# Altium PCB PCB1.PcbDoc (part 2 of 2) (continued)
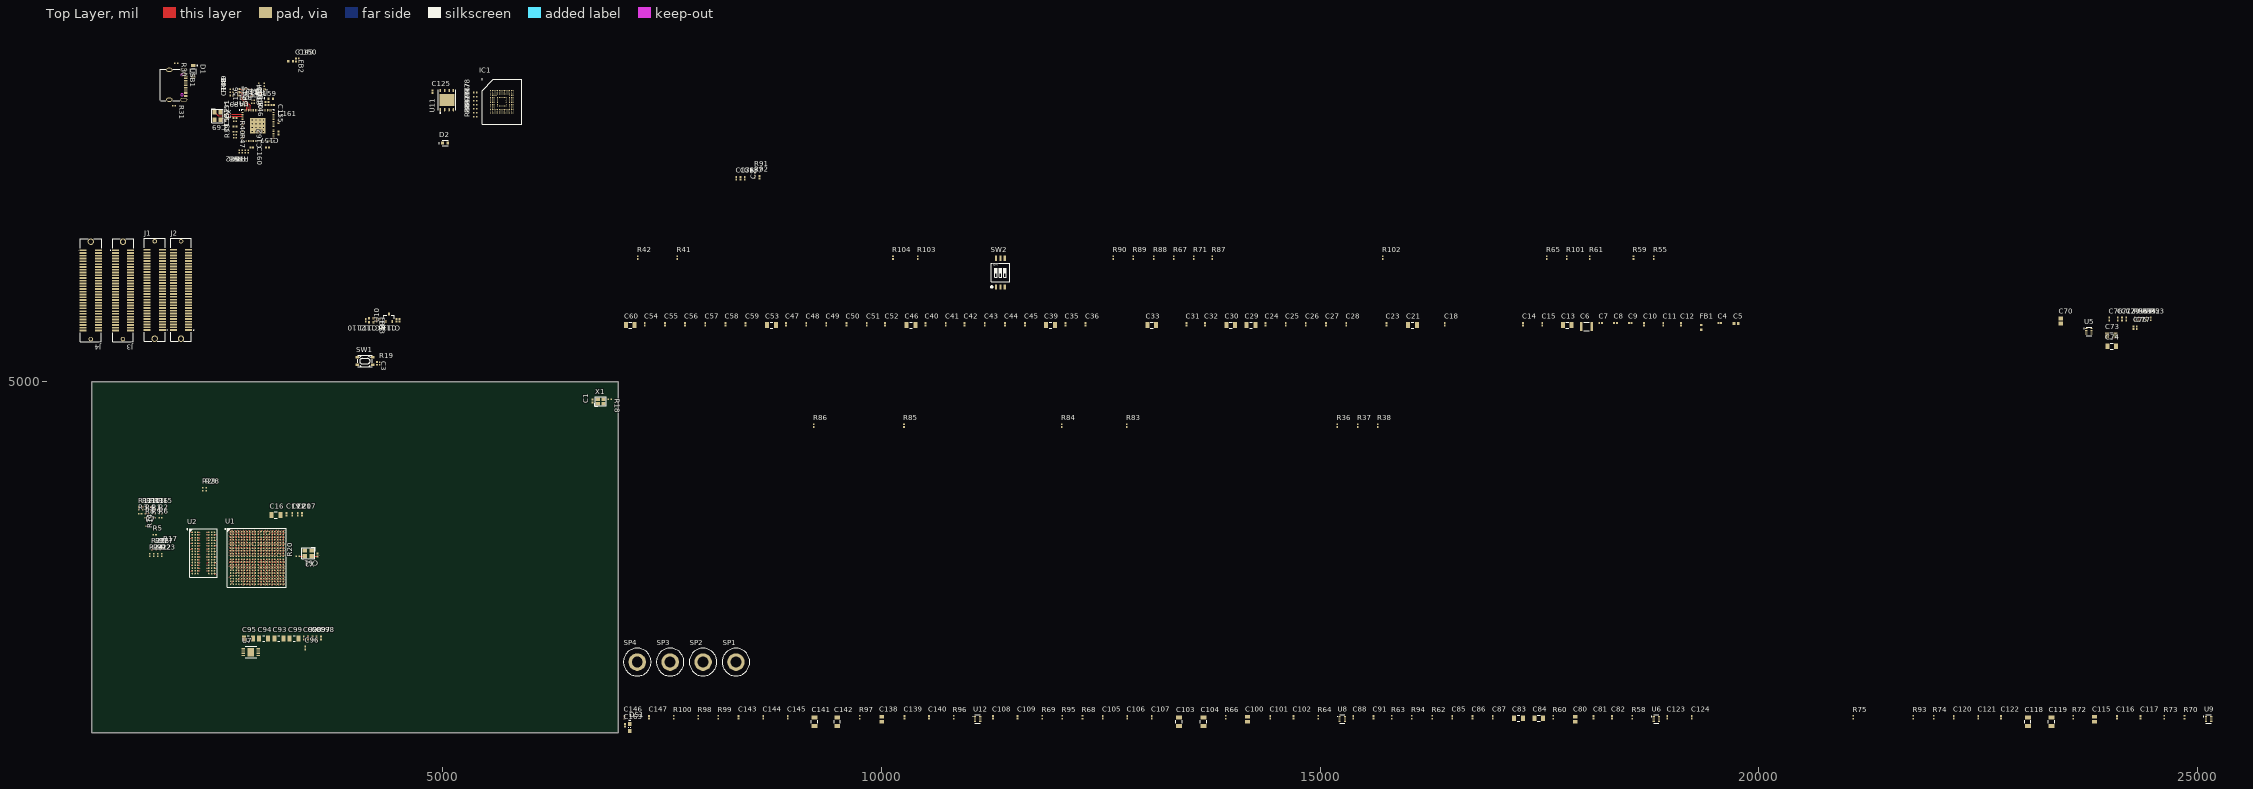
[diagram p0: Top Layer view]
## Nets (pads, with @x,y where several pads share a name; then routed paths per layer and width w, separated by ;. In a path a pad name is that pad's centre, name@x,y a point inside that pad or via, vN(x,y) a via of type N, cw(c..) or ccw(c..) an arc to the next point about the centre after c; other vN are vias at no path point) (continued)
DDR3L_A0: R1.1 U1.N2 U2.N3 | length 44.4
  Top Layer w6: U2.N3@2207.01,2908.27 2221.09,2908.27 v1(2229.12,2908.27) ; v1(2595.79,2898.74) U1.N2@2611.54,2914.49
DDR3L_A1: R2.1 U1.K2 U2.P7 | length 44.4
  Top Layer w6: v1(2310.88,2876.77) 2318.91,2876.77 U2.P7@2332.99,2876.77 ; v1(2595.79,3024.72) U1.K2@2611.54,3008.98
DDR3L_A2: R3.1 U1.M3 U2.P3 | length 44.4
  Top Layer w6: U2.P3@2207.01,2876.77 v1(2229.12,2876.77) ; v1(2627.28,2930.24) U1.M3@2643.03,2945.98
DDR3L_A3: R4.1 U1.K3 U2.N2 | length 22.3
  Top Layer w6: v1(2627.28,3024.72) U1.K3@2643.03,3008.98
DDR3L_A4: R5.1 U1.M4 U2.P8 | length 22.3
  Top Layer w6: v1(2658.78,2930.24) U1.M4@2674.53,2945.98
DDR3L_A5: R6.1 U1.L1 U2.P2 | length 22.3
  Top Layer w6: v1(2564.29,2961.73) U1.L1@2580.04,2977.48
DDR3L_A6: R7.1 U1.L4 U2.R8 | length 22.3
  Top Layer w6: v1(2658.78,2961.73) U1.L4@2674.53,2977.48
DDR3L_A7: R8.1 U1.K4 U2.R2 | length 22.3
  Top Layer w6: v1(2658.78,3024.72) U1.K4@2674.53,3008.98
DDR3L_A8: R9.1 U1.K1 U2.T8 | length 22.3
  Top Layer w6: v1(2564.29,3024.72) U1.K1@2580.04,3008.98
DDR3L_A9: R10.1 U1.J4 U2.R3 | length 44.4
  Top Layer w6: U2.R3@2207.01,2845.28 2221.09,2845.28 v1(2229.12,2845.28) ; v1(2658.78,3056.22) U1.J4@2674.53,3040.47
DDR3L_A10: R11.1 U1.F5 U2.L7 | length 44.4
  Top Layer w6: v1(2310.88,2971.26) U2.L7@2332.99,2971.26 ; v1(2690.28,3150.71) U1.F5@2706.02,3134.96
DDR3L_A11: R12.1 U1.G4 U2.R7 | length 44.4
  Top Layer w6: v1(2310.88,2845.28) U2.R7@2332.99,2845.28 ; v1(2658.78,3119.21) U1.G4@2674.53,3103.46
DDR3L_A12: R13.1 U1.E4 U2.N7 | length 44.4
  Top Layer w6: v1(2310.88,2908.27) U2.N7@2332.99,2908.27 ; v1(2658.78,3182.2) U1.E4@2674.53,3166.46
DDR3L_BA0: R14.1 U1.L5 U2.M2 | length 22.3
  Top Layer w6: v1(2690.28,2961.73) U1.L5@2706.02,2977.48
DDR3L_BA1: R15.1 U1.R4 U2.N8 | length 22.3
  Top Layer w6: v1(2658.78,2835.75) U1.R4@2674.53,2851.5
DDR3L_BA2: R16.1 U1.J5 U2.M3 | length 44.4
  Top Layer w6: U2.M3@2207.01,2939.76 v1(2229.12,2939.76) ; v1(2690.28,3056.22) U1.J5@2706.02,3040.47
DDR3L_CAS#: R27.2 U1.P4 U2.K3 | length 44.4
  Top Layer w6: U2.K3@2207.01,3002.76 v1(2229.12,3002.76) ; v1(2658.78,2867.24) U1.P4@2674.53,2882.99
DDR3L_CKE: R23.2 U1.N3 U2.K9 | length 44.4
  Top Layer w6: U2.K9@2395.98,3002.76 v1(2418.09,3002.76) ; v1(2627.28,2898.74) U1.N3@2643.03,2914.49
DDR3L_CKN: R17.1 U1.M2 U2.K7 | length 44.4
  Top Layer w6: v1(2310.88,3002.76) 2318.91,3002.76 U2.K7@2332.99,3002.76 ; v1(2595.79,2930.24) U1.M2@2611.54,2945.98
DDR3L_CKP: R17.2 U1.L2 U2.J7 | length 44.4
  Top Layer w6: v1(2310.88,3034.25) U2.J7@2332.99,3034.25 ; v1(2595.79,2961.73) U1.L2@2611.54,2977.48
DDR3L_CS#: R24.2 U1.N1 U2.L2 | length 22.3
  Top Layer w6: v1(2564.29,2898.74) U1.N1@2580.04,2914.49
DDR3L_DQ0: U1.C3 U2.E3 | length 44.4
  Top Layer w6: U2.E3@2207.01,3160.24 2221.09,3160.24 v1(2229.12,3160.24) ; v1(2627.28,3245.2) U1.C3@2643.03,3229.45
DDR3L_DQ1: U1.B3 U2.F7 | length 44.4
  Top Layer w6: v1(2310.88,3128.74) 2318.91,3128.74 U2.F7@2332.99,3128.74 ; v1(2627.28,3276.69) U1.B3@2643.03,3260.94
DDR3L_DQ2: U1.A2 U2.F2 | length 22.3
  Top Layer w6: v1(2595.79,3308.19) U1.A2@2611.54,3292.44
DDR3L_DQ3: U1.A4 U2.F8 | length 22.3
  Top Layer w6: v1(2658.78,3308.19) U1.A4@2674.53,3292.44
DDR3L_DQ4: U1.D3 U2.H3 | length 44.4
  Top Layer w6: U2.H3@2207.01,3065.75 v1(2229.12,3065.75) ; v1(2627.28,3213.7) U1.D3@2643.03,3197.95
DDR3L_DQ5: U1.D1 U2.H8 | length 22.3
  Top Layer w6: v1(2564.29,3213.7) U1.D1@2580.04,3197.95
DDR3L_DQ6: U1.C1 U2.G2 | length 22.3
  Top Layer w6: v1(2564.29,3245.2) U1.C1@2580.04,3229.45
DDR3L_DQ7: U1.E1 U2.H7 | length 44.4
  Top Layer w6: v1(2310.88,3065.75) 2318.91,3065.75 U2.H7@2332.99,3065.75 ; v1(2564.29,3182.2) U1.E1@2580.04,3166.46
DDR3L_DQ8: U1.E2 U2.D7 | length 44.4
  Top Layer w6: v1(2310.88,3191.73) 2318.91,3191.73 U2.D7@2332.99,3191.73 ; v1(2595.79,3182.2) U1.E2@2611.54,3166.46
DDR3L_DQ9: U1.E3 U2.C3 | length 44.4
  Top Layer w6: U2.C3@2207.01,3223.23 2221.09,3223.23 v1(2229.12,3223.23) ; v1(2627.28,3182.2) U1.E3@2643.03,3166.46
DDR3L_DQ10: U1.G3 U2.C8 | length 22.3
  Top Layer w6: v1(2627.28,3119.21) U1.G3@2643.03,3103.46
DDR3L_DQ11: U1.H3 U2.C2 | length 22.3
  Top Layer w6: v1(2627.28,3087.72) U1.H3@2643.03,3071.97
DDR3L_DQ12: U1.J3 U2.A7 | length 44.4
  Top Layer w6: v1(2310.88,3286.22) U2.A7@2332.99,3286.22 ; v1(2627.28,3056.22) U1.J3@2643.03,3040.47
DDR3L_DQ13: U1.H2 U2.A2 | length 22.3
  Top Layer w6: v1(2595.79,3087.72) U1.H2@2611.54,3071.97
DDR3L_DQ14: U1.H1 U2.B8 | length 22.3
  Top Layer w6: v1(2564.29,3087.72) U1.H1@2580.04,3071.97
DDR3L_DQ15: U1.J1 U2.A3 | length 44.4
  Top Layer w6: U2.A3@2207.01,3286.22 2221.09,3286.22 v1(2229.12,3286.22) ; v1(2564.29,3056.22) U1.J1@2580.04,3040.47
DDR3L_LDM: U1.A1 U2.E7 | length 44.4
  Top Layer w6: v1(2310.88,3160.24) U2.E7@2332.99,3160.24 ; v1(2564.29,3308.19) U1.A1@2580.04,3292.44
DDR3L_LDQS_N: U1.B2 U2.G3 | length 44.4
  Top Layer w6: U2.G3@2207.01,3097.24 2221.09,3097.24 v1(2229.12,3097.24) ; v1(2595.79,3276.69) U1.B2@2611.54,3260.94
DDR3L_LDQS_P: U1.C2 U2.F3 | length 44.4
  Top Layer w6: U2.F3@2207.01,3128.74 v1(2229.12,3128.74) ; v1(2595.79,3245.2) U1.C2@2611.54,3229.45
DDR3L_ODT: U1.N5 U2.K1 | length 22.3
  Top Layer w6: v1(2690.28,2898.74) U1.N5@2706.02,2914.49
DDR3L_RAS#: R26.2 U1.P5 U2.J3 | length 44.4
  Top Layer w6: U2.J3@2207.01,3034.25 v1(2229.12,3034.25) ; v1(2690.28,2867.24) U1.P5@2706.02,2882.99
DDR3L_RESET: R22.2 U1.B4 U2.T2 | length 22.3
  Top Layer w6: v1(2658.78,3276.69) U1.B4@2674.53,3260.94
DDR3L_UDM: U1.F1 U2.D3 | length 44.4
  Top Layer w6: U2.D3@2207.01,3191.73 v1(2229.12,3191.73) ; v1(2564.29,3150.71) U1.F1@2580.04,3134.96
DDR3L_UDQS_N: U1.F2 U2.B7 | length 44.4
  Top Layer w6: v1(2310.88,3254.72) 2318.91,3254.72 U2.B7@2332.99,3254.72 ; v1(2595.79,3150.71) U1.F2@2611.54,3134.96
DDR3L_UDQS_P: U1.G2 U2.C7 | length 44.4
  Top Layer w6: v1(2310.88,3223.23) U2.C7@2332.99,3223.23 ; v1(2595.79,3119.21) U1.G2@2611.54,3103.46
DDR3L_WE#: R25.2 U1.M5 U2.L3 | length 44.4
  Top Layer w6: U2.L3@2207.01,2971.26 2221.09,2971.26 v1(2229.12,2971.26) ; v1(2690.28,2930.24) U1.M5@2706.02,2945.98
DDR3L_ZQ: R21.2 U2.L8
EE_CLK: R49.1 U3.62 U4.4 | length 308.7
  Top Layer w5: U4.4@2672.76,8337.4 2675.16,8335 2710,8335 2720,8325 2720,8222.27 2783.46,8158.81 U3.62@2783.46,8095
EE_CS: R48.1 U3.63 U4.5 | length 261.6
  Top Layer w5: U4.5@2672.76,8300 2705,8300 2709.39,8295.61 2709.39,8220.15 2763.78,8165.76 U3.63@2763.78,8095
EE_DATA: R51.1 U3.61 U4.3 | length 359.8
  Top Layer w5: U3.61@2803.15,8095 2803.15,8151.85 2730,8225 2730,8330 2737.4,8337.4 U4.3@2767.24,8337.4 2770.59,8340.75 R51.1@2820,8340.75
ETH_INT_B: J4.3 U1.E9 | length 22.3
  Top Layer w6: v1(2816.26,3182.2) U1.E9@2832.01,3166.46
ETH_MDC: J4.32 U1.C10 | length 22.3
  Top Layer w6: v1(2847.76,3245.2) U1.C10@2863.5,3229.45
ETH_MDIO: J4.33 U1.C11 | length 22.3
  Top Layer w6: U1.C11@2895,3229.45 v1(2910.75,3245.2)
ETH_RST_B: J4.4 U1.B5 | length 22.3
  Top Layer w6: v1(2690.28,3276.69) U1.B5@2706.02,3260.94
ETH_RXCK: J4.41 U1.B17 | length 22.3
  Top Layer w6: U1.B17@3083.98,3260.94 v1(3099.72,3276.69)
ETH_RXCTL: J4.43 U1.D13 | length 22.3
  Top Layer w6: U1.D13@2957.99,3197.95 v1(2973.74,3213.7)
ETH_RXD0: J4.35 U1.D11 | length 22.3
  Top Layer w6: U1.D11@2895,3197.95 v1(2910.75,3213.7)
ETH_RXD1: J4.36 U1.A16 | length 22.3
  Top Layer w6: U1.A16@3052.48,3292.44 v1(3068.23,3308.19)
ETH_RXD2: J4.38 U1.F15 | length 22.3
  Top Layer w6: U1.F15@3020.98,3134.96 v1(3036.73,3150.71)
ETH_RXD3: J4.39 U1.A15 | length 22.3
  Top Layer w6: U1.A15@3020.98,3292.44 v1(3036.73,3308.19)
ETH_TXCK: J4.53 U1.A19 | length 22.3
  Top Layer w6: U1.A19@3146.97,3292.44 v1(3162.72,3308.19)
ETH_TXCTL: J4.45 U1.F14 | length 22.3
  Top Layer w6: U1.F14@2989.49,3134.96 v1(3005.24,3150.71)
ETH_TXD0: J4.47 U1.E14 | length 22.3
  Top Layer w6: U1.E14@2989.49,3166.46 v1(3005.24,3182.2)
ETH_TXD1: J4.48 U1.B18 | length 22.3
  Top Layer w6: U1.B18@3115.47,3260.94 v1(3131.22,3276.69)
ETH_TXD2: J4.50 U1.D10 | length 22.3
  Top Layer w6: v1(2847.76,3213.7) U1.D10@2863.5,3197.95
ETH_TXD3: J4.51 U1.A17 | length 22.3
  Top Layer w6: U1.A17@3083.98,3292.44 v1(3099.72,3308.19)
FPGA_DONE: R85.1 R86.2 U1.R11 | length 22.3
  Top Layer w6: U1.R11@2895,2851.5 v1(2910.75,2835.75)
FT2232_1V8: C155.1 C156.1 C157.1 C158.1 U3.12 U3.37 U3.49 U3.64
FT2232_LED_RX: D4.1 U3.55
FT2232_LED_TX: D3.1 U3.54
FT2232_UART_RX: R42.1 U3.39
FT2232_UART_TX: R41.1 U3.38
GND: C1.1 C2.1 C3.1 C4.1 C5.1 C6.1 C7.1 C8.1 C10.1 C11.1 C12.1 C13.2 C14.1 C15.1 C16.2 C17.1 C18.1 C19.1 C20.1 C21.2 C22.1 C23.1 C24.1 C25.1 C26.1 C27.1 C28.1 C29.2 C30.2 C31.1 C32.1 C33.2 C34.2 C35.1 C36.1 C37.1 C38.1 C39.2 C40.1 C41.1 C42.1 C43.1 C44.1 C45.1 C46.2 C47.1 C48.1 C49.1 C50.1 C51.1 C52.1 C53.2 C54.1 C55.1 C56.1 C57.1 C58.1 C59.1 C60.2 C61.1 C62.1 C63.1 C64.1 C65.1 C66.1 C67.1 C68.2 C69.2 C70.1 C71.1 C73.2 C74.2 C76.1 C77.1 C78.1 C79.2 C80.1 C81.1 C83.2 C84.2 C86.1 C87.1 C88.2 C89.1 C90.1 C91.2 C92.1 C93.1 C94.1 C95.1 C96.1 C97.1 C98.1 C99.1 C100.1 C101.1 C103.2 C104.2 C106.1 C107.1 C108.2 C109.2 C110.1 C115.1 C116.1 C118.2 C119.2 C121.1 C122.1 C123.2 C124.2 C125.1 C126.1 C127.1 C128.1 C129.1 C130.1 C131.1 C132.1 C133.1 C134.1 C135.1 C136.1 C137.1 C138.1 C139.1 C141.2 C142.2 C144.1 C145.1 C146.2 C147.2 C148.2 C149.2 C150.2 C151.2 C152.2 C153.2 C154.2 C155.2 C156.2 C157.2 C158.2 C159.2 C160.2 C161.2 C162.2 C163.1 D2.1 DS1.1 FB4.1 IC1.A6 IC1.C4 IC1.E7 IC1.G5 IC1.H10 IC1.J5 IC1.K8 IC1.N2 IC1.N5 IC1.P4 IC1.P6 J1.1 J1.4 J1.7 J1.10 J1.13 J1.16 J1.19 J1.22 J1.25 J1.28 J1.31 J1.34 J1.37 J1.40 J1.43 J1.46 J1.49 J1.52 J1.55 J1.58 J2.1 J2.4 J2.7 J2.10 J2.13 J2.16 J2.19 J2.22 J2.25 J2.28 J2.31 J2.34 J2.37 J2.40 J2.43 J2.46 J2.49 J2.52 J2.55 J2.58 J3.1 J3.4 J3.7 J3.10 J3.13 J3.16 J3.19 J3.22 J3.25 J3.28 J3.31 J3.34 J3.37 J3.40 J3.43 J3.46 J3.49 J3.52 J3.55 J3.58 J4.1 J4.5 J4.7 J4.11 J4.14 J4.18 J4.20 J4.26 J4.30 J4.31 J4.34 J4.37 J4.40 J4.42 J4.44 J4.46 J4.49 J4.52 J4.54 J4.57 J4.60 R21.1 R22.1 R23.1 R24.1 R28.1 R30.1 R31.1 R40.1 R46.1 R47.1 R57.2 R59.1 R61.1 R63.2 R65.1 R69.2 R75.2 R92.1 R100.2 SP1.1 SP2.1 SP3.1 SP4.1 SW1.1 SW1.4 SW2.1 SW2.2 SW2.3 U1.A8 U1.A18 U1.B1 U1.B11 U1.C4 U1.C9 U1.C14 U1.D17 U1.E10 U1.E20 U1.F3 U1.F7 U1.G10 U1.G12 U1.G16 U1.H7 U1.H9 U1.H11 U1.H13 U1.H19 U1.J2 U1.J8 U1.J12 U1.K5 U1.K7 U1.K11 U1.K13 U1.K15 U1.L8 U1.L12 U1.L18 U1.M1 U1.M7 U1.M9 U1.M10 U1.M11 U1.M13 U1.N4 U1.N8 U1.N10 U1.N12 U1.N14 U1.P7 U1.P9 U1.P11 U1.P13 U1.P17 U1.R8 U1.R12 U1.R20 U1.T3 U1.T7 U1.T13 U1.U6 U1.U16 U1.V9 U1.V19 U1.W2 U1.W12 U1.Y5 U1.Y15 U2.A9 U2.B1 U2.B3 U2.B9 U2.D1 U2.D8 U2.E1 U2.E2 U2.E8 U2.F9 U2.G1 U2.G8 U2.G9 U2.J2 U2.J8 U2.M1 U2.M9 U2.P1 U2.P9 U2.T1 U2.T9 U3.1 U3.5 U3.10 U3.11 U3.15 U3.25 U3.35 U3.47 U3.51 U3.65 U4.2 U5.4 U6.4 U7.3 U7.EPAD U8.4 U9.4 U11.4 U11.9 U12.4 USB1.1 USB1.12 USB1.13 USB1.14 X1.2 X2.2 X3.2 X3.4 | length 1535.4
  Top Layer w6: v1(2121.91,3097.24) U2.G1@2144.02,3097.24 ; v1(2121.91,3160.24) U2.E1@2144.02,3160.24 ; U2.B3@2207.01,3254.72 v1(2229.12,3254.72) ; U2.T9@2395.98,2813.78 v1(2418.09,2813.78) ; U2.P9@2395.98,2876.77 v1(2418.09,2876.77) ; U2.M9@2395.98,2939.76 v1(2418.09,2939.76) ; U2.F9@2395.98,3128.74 v1(2418.09,3128.74) ; U2.B9@2395.98,3254.72 v1(2418.09,3254.72) ; v1(2564.29,2930.24) U1.M1@2580.04,2945.98 ; v1(2564.29,3276.69) U1.B1@2580.04,3260.94 ; v1(2595.79,2709.76) U1.W2@2611.54,2725.51 ; v1(2595.79,3056.22) U1.J2@2611.54,3040.47 ; v1(2627.28,2804.25) U1.T3@2643.03,2820 ; v1(2627.28,3150.71) U1.F3@2643.03,3134.96 ; v1(2658.78,2898.74) U1.N4@2674.53,2914.49 ; v1(2658.78,3245.2) U1.C4@2674.53,3229.45 ; v1(2690.28,2678.27) U1.Y5@2706.02,2694.02 ; v1(2690.28,3024.72) U1.K5@2706.02,3008.98 ; v1(2721.77,2772.76) U1.U6@2737.52,2788.5 ; v1(2753.27,2804.25) U1.T7@2769.02,2820 ; v1(2753.27,2867.24) U1.P7@2769.02,2882.99 ; v1(2753.27,2930.24) U1.M7@2769.02,2945.98 ; v1(2753.27,3024.72) U1.K7@2769.02,3008.98 ; v1(2753.27,3087.72) U1.H7@2769.02,3071.97 ; v1(2753.27,3150.71) U1.F7@2769.02,3134.96 ; v1(2784.76,2835.75) U1.R8@2800.51,2851.5 ; v1(2784.76,2898.74) U1.N8@2800.51,2914.49 ; v1(2784.76,2961.73) U1.L8@2800.51,2977.48 ; v1(2784.76,3056.22) U1.J8@2800.51,3040.47 ; v1(2784.76,3308.19) U1.A8@2800.51,3292.44 ; v1(2816.26,2741.26) U1.V9@2832.01,2757.01 ; v1(2816.26,2867.24) U1.P9@2832.01,2882.99 ; v1(2816.26,2930.24) U1.M9@2832.01,2945.98 ; v1(2816.26,3087.72) U1.H9@2832.01,3071.97 ; v1(2816.26,3245.2) U1.C9@2832.01,3229.45 ; v1(2847.76,2898.74) U1.N10@2863.5,2914.49 ; v1(2847.76,2930.24) U1.M10@2863.5,2945.98 ; v1(2847.76,3119.21) U1.G10@2863.5,3103.46 ; v1(2847.76,3182.2) U1.E10@2863.5,3166.46 ; U1.P11@2895,2882.99 v1(2910.75,2867.24) ; U1.M11@2895,2945.98 v1(2910.75,2930.24) ; U1.K11@2895,3008.98 v1(2910.75,3024.72) ; U1.H11@2895,3071.97 v1(2910.75,3087.72) ; U1.B11@2895,3260.94 v1(2910.75,3276.69) ; U1.W12@2926.5,2725.51 v1(2942.24,2709.76) ; U1.R12@2926.5,2851.5 v1(2942.24,2835.75) ; U1.N12@2926.5,2914.49 v1(2942.24,2898.74) ; U1.L12@2926.5,2977.48 v1(2942.24,2961.73) ; U1.J12@2926.5,3040.47 v1(2942.24,3056.22) ; U1.G12@2926.5,3103.46 v1(2942.24,3119.21) ; U1.T13@2957.99,2820 v1(2973.74,2804.25) ; U1.P13@2957.99,2882.99 v1(2973.74,2867.24) ; U1.M13@2957.99,2945.98 v1(2973.74,2930.24) ; U1.K13@2957.99,3008.98 v1(2973.74,3024.72) ; U1.H13@2957.99,3071.97 v1(2973.74,3087.72) ; U1.N14@2989.49,2914.49 v1(3005.24,2898.74) ; U1.C14@2989.49,3229.45 v1(3005.24,3245.2) ; U1.Y15@3020.98,2694.02 v1(3036.73,2678.27) ; U1.K15@3020.98,3008.98 v1(3036.73,3024.72) ; U1.U16@3052.48,2788.5 v1(3068.23,2772.76) ; U1.G16@3052.48,3103.46 v1(3068.23,3119.21) ; U1.P17@3083.98,2882.99 v1(3099.72,2867.24) ; U1.D17@3083.98,3197.95 v1(3099.72,3213.7) ; U1.L18@3115.47,2977.48 v1(3131.22,2961.73) ; U1.A18@3115.47,3292.44 v1(3131.22,3308.19) ; U1.V19@3146.97,2757.01 v1(3162.72,2741.26) ; U1.H19@3146.97,3071.97 v1(3162.72,3087.72) ; U1.R20@3178.46,2851.5 v1(3194.21,2835.75) ; U1.E20@3178.46,3166.46 v1(3194.21,3182.2)
  other v2: 2826.77,7853.86 2870.08,7853.86 2913.39,7853.86 2956.69,7853.86 2826.77,7897.17 2870.08,7897.17 2913.39,7897.17 2956.69,7897.17 2826.77,7940.47 2870.08,7940.47 2913.39,7940.47 2956.69,7940.47 2826.77,7983.78 2870.08,7983.78 2913.39,7983.78 2956.69,7983.78
HDMI_TX_SCL: J4.55 U1.B13 | length 22.3
  Top Layer w6: U1.B13@2957.99,3260.94 v1(2973.74,3276.69)
HDMI_TX_SDA: J4.56 U1.B9 | length 22.3
  Top Layer w6: v1(2816.26,3276.69) U1.B9@2832.01,3260.94
JTAG_TCK: R32.2 R37.2 U1.F9 | length 22.3
  Top Layer w6: v1(2816.26,3150.71) U1.F9@2832.01,3134.96
JTAG_TDI: R33.2 R38.2 U1.G6 | length 22.3
  Top Layer w6: v1(2721.77,3119.21) U1.G6@2737.52,3103.46
JTAG_TDO: R34.2 U1.F6 | length 22.3
  Top Layer w6: v1(2721.77,3150.71) U1.F6@2737.52,3134.96
JTAG_TMS: R35.2 R36.2 U1.J6 | length 22.3
  Top Layer w6: v1(2721.77,3056.22) U1.J6@2737.52,3040.47
NetC72_1: C72.1 U5.3
NetC72_2: C72.2 R52.1
NetC75_1: C75.1 R54.2 R56.2 R57.1
NetC79_1: C79.1 U5.7
NetC82_1: C82.1 U6.3
NetC82_2: C82.2 R58.1
NetC85_1: C85.1 R60.2 R62.2 R63.1
NetC91_1: C91.1 U6.7
NetC102_1: C102.1 U8.3
NetC102_2: C102.2 R64.1
NetC105_1: C105.1 R66.2 R68.2 R69.1
NetC109_1: C109.1 U8.7
NetC117_1: C117.1 U9.3
NetC117_2: C117.2 R70.1
NetC120_1: C120.1 R72.2 R74.2 R75.1
NetC124_1: C124.1 U9.7
NetC140_1: C140.1 U12.3
NetC140_2: C140.2 R96.1
NetC143_1: C143.1 R97.2 R99.2 R100.1
NetC147_1: C147.1 U12.7
NetD2_2: D2.2 R101.1
NetD3_2: D3.2 R43.2
NetD4_2: D4.2 R44.2
NetDS1_2: DS1.2 R86.1
NetR18_1: R18.1 X1.3
NetR20_1: R20.1 X2.3 | length 63.5
  Top Layer w6: R20.1@3360.75,3010 3422.13,3010 X2.3@3423.66,3011.54
NetR28_2: R28.2 U1.H5 | length 22.3
  Top Layer w6: v1(2690.28,3087.72) U1.H5@2706.02,3071.97
NetR29_2: R29.2 U1.G5 | length 22.3
  Top Layer w6: v1(2690.28,3119.21) U1.G5@2706.02,3103.46
NetR30_2: R30.2 USB1.4
NetR31_2: R31.2 USB1.10
NetR32_1: R32.1 U3.16
NetR33_1: R33.1 U3.17
NetR34_1: R34.1 U3.18
NetR35_1: R35.1 U3.19
NetR39_1: R39.1 U3.14
NetR40_2: R40.2 U3.6
NetR45_1: R45.1 R46.2 U3.59
NetR47_2: R47.2 U3.13
NetR50_1: R50.1 R51.2 U4.1 | length 102.6
  Top Layer w5: U4.1@2767.24,8262.6 2769.84,8260 R50.1@2819.25,8260 2820,8260.75 R51.2@2820,8309.25
NetR52_2: R52.2 U5.5
NetR53_1: R53.1 U5.6
NetR56_1: R56.1 U5.8
NetR58_2: R58.2 U6.5
NetR62_1: R62.1 U6.8
NetR64_2: R64.2 U8.5
NetR67_2: R67.2 R88.2 SW2.6
NetR68_1: R68.1 U8.8
NetR70_2: R70.2 U9.5
NetR71_2: R71.2 R89.2 SW2.5
NetR73_1: R73.1 U9.6
NetR74_1: R74.1 U9.8
NetR83_2: R83.2 U1.R10 | length 22.3
  Top Layer w6: v1(2847.76,2835.75) U1.R10@2863.5,2851.5
NetR84_2: R84.2 U1.L6 | length 22.3
  Top Layer w6: v1(2721.77,2961.73) U1.L6@2737.52,2977.48
NetR87_2: R87.2 R90.2 SW2.4
NetR96_2: R96.2 U12.5
NetR99_1: R99.1 U12.8
NetR101_2: R101.2 U1.E6 | length 22.3
  Top Layer w6: v1(2721.77,3182.2) U1.E6@2737.52,3166.46
NetR102_2: R102.2 U1.A5 | length 22.3
  Top Layer w6: v1(2690.28,3308.19) U1.A5@2706.02,3292.44
NetR103_2: R103.2 U1.A11 | length 22.3
  Top Layer w6: U1.A11@2895,3292.44 v1(2910.75,3308.19)
NetR104_2: R104.2 U1.D14 | length 22.3
  Top Layer w6: U1.D14@2989.49,3197.95 v1(3005.24,3213.7)
OSCI: C68.1 U3.2 X3.1 | length 346.4
  Top Layer w6: X3.1@2398.07,8070 2438.07,8030 2498.23,8030 C68.1@2521.54,8053.31 2541.69,8053.31 2548.23,8046.77 U3.2@2715.55,8046.77
OSCO: C69.1 U3.3 X3.3 | length 267
  Top Layer w6: X3.3@2465,7987.32 2481.69,8004.02 C69.1@2521.54,8004.02 2539.02,8004.02 2562.09,8027.09 U3.3@2715.55,8027.09
OTG_CLK: J4.19 R103.1
OTG_DATA0: J4.25 U1.A14 | length 22.3
  Top Layer w6: U1.A14@2989.49,3292.44 v1(3005.24,3308.19)
OTG_DATA1: J4.24 U1.D15 | length 22.3
  Top Layer w6: U1.D15@3020.98,3197.95 v1(3036.73,3213.7)
OTG_DATA2: J4.23 U1.A12 | length 22.3
  Top Layer w6: U1.A12@2926.5,3292.44 v1(2942.24,3308.19)
OTG_DATA3: J4.22 U1.F12 | length 22.3
  Top Layer w6: U1.F12@2926.5,3134.96 v1(2942.24,3150.71)
OTG_DATA4: J4.21 U1.C16 | length 22.3
  Top Layer w6: U1.C16@3052.48,3229.45 v1(3068.23,3245.2)
OTG_DATA5: J4.17 U1.A10 | length 22.3
  Top Layer w6: v1(2847.76,3308.19) U1.A10@2863.5,3292.44
OTG_DATA6: J4.16 U1.E13 | length 22.3
  Top Layer w6: U1.E13@2957.99,3166.46 v1(2973.74,3182.2)
OTG_DATA7: J4.15 U1.C18 | length 22.3
  Top Layer w6: U1.C18@3115.47,3229.45 v1(3131.22,3245.2)
OTG_DIR: J4.29 U1.C13 | length 22.3
  Top Layer w6: U1.C13@2957.99,3229.45 v1(2973.74,3245.2)
OTG_NXT: J4.27 U1.E16 | length 22.3
  Top Layer w6: U1.E16@3052.48,3166.46 v1(3068.23,3182.2)
OTG_OC: J4.2 U1.C6 | length 22.3
  Top Layer w6: v1(2721.77,3245.2) U1.C6@2737.52,3229.45
OTG_RESETN: J4.6 U1.D16 | length 22.3
  Top Layer w6: U1.D16@3052.48,3197.95 v1(3068.23,3213.7)
OTG_STP: J4.28 U1.C15 | length 22.3
  Top Layer w6: U1.C15@3020.98,3229.45 v1(3036.73,3245.2)
PG_1V0: C123.1 R93.1 U6.6 U9.1
PG_1V8: C88.1 R94.1 U6.1 U8.6
PG_1V35: C108.1 R95.1 U8.1 U12.6
PG_3V3: C146.1 R98.1 U1.C7 U12.1 | length 22.3
  Top Layer w6: v1(2753.27,3245.2) U1.C7@2769.02,3229.45
PL_CLK: R20.2 U1.K17 | length 22.3
  Top Layer w6: U1.K17@3083.98,3008.98 v1(3099.72,3024.72)
PS_CLK: R18.2 U1.E7 | length 22.3
  Top Layer w6: v1(2753.27,3182.2) U1.E7@2769.02,3166.46
PS_RESET: C3.2 R19.1 SW1.2 SW1.3 U1.B10 | length 22.3
  Top Layer w6: v1(2847.76,3276.69) U1.B10@2863.5,3260.94
QSPI_CS: U1.A7 U11.1 | length 22.3
  Top Layer w6: v1(2753.27,3308.19) U1.A7@2769.02,3292.44
QSPI_DQ0: R59.2 U1.B8 U11.5 | length 22.3
  Top Layer w6: v1(2784.76,3276.69) U1.B8@2800.51,3260.94
QSPI_DQ1: R88.1 U1.D6 U11.2 | length 22.3
  Top Layer w6: v1(2721.77,3213.7) U1.D6@2737.52,3197.95
QSPI_DQ2: R89.1 U1.B7 U11.3 | length 22.3
  Top Layer w6: v1(2753.27,3276.69) U1.B7@2769.02,3260.94
QSPI_DQ3: R90.1 U1.A6 U11.7 | length 22.3
  Top Layer w6: v1(2721.77,3308.19) U1.A6@2737.52,3292.44
QSPI_SCK: R61.2 R102.1 U11.6
QSPI_SCK_FB: R55.2 U1.D5 | length 22.3
  Top Layer w6: v1(2690.28,3213.7) U1.D5@2706.02,3197.95
RST_N: C134.2 IC1.K5 R82.1
SD_CCLK: IC1.M6 R80.1 R104.1
SD_CMD: IC1.M5 R81.1 U1.C17 | length 22.3
  Top Layer w6: U1.C17@3083.98,3229.45 v1(3099.72,3245.2)
SD_D0: IC1.A3 R76.1 U1.E12 | length 22.3
  Top Layer w6: U1.E12@2926.5,3166.46 v1(2942.24,3182.2)
SD_D1: IC1.A4 R77.1 U1.A9 | length 22.3
  Top Layer w6: v1(2816.26,3308.19) U1.A9@2832.01,3292.44
SD_D2: IC1.A5 R78.1 U1.F13 | length 22.3
  Top Layer w6: U1.F13@2957.99,3134.96 v1(2973.74,3150.71)
SD_D3: IC1.B2 R79.1 U1.B15 | length 22.3
  Top Layer w6: U1.B15@3020.98,3260.94 v1(3036.73,3276.69)
UART_RXD: R41.2 U1.C8 | length 22.3
  Top Layer w6: v1(2784.76,3245.2) U1.C8@2800.51,3229.45
UART_TXD: R42.2 U1.C5 | length 22.3
  Top Layer w6: v1(2690.28,3245.2) U1.C5@2706.02,3229.45
USB_DN: U3.7 USB1.5 USB1.7
USB_DP: U3.8 USB1.6 USB1.8
VBUS: D1.2 R45.2 USB1.2 USB1.11
VCFG0: R65.2 U1.D8 | length 22.3
  Top Layer w6: v1(2784.76,3213.7) U1.D8@2800.51,3197.95
VDDI: C135.2 IC1.C2
VREF0V9: C2.2 C78.2 C136.2 C137.2 R91.1 R92.2 U1.E11 | length 22.3
  Top Layer w6: U1.E11@2895,3166.46 v1(2910.75,3182.2)
VREGIN: C153.1 C154.1 FB5.2 U3.50
XADC1V8: C111.2 C112.2 FB3.2 U1.J9 U10.1 | length 22.3
  Top Layer w6: v1(2816.26,3056.22) U1.J9@2832.01,3040.47
XADC_AD0_N: J2.8 U1.B20 | length 22.3
  Top Layer w6: U1.B20@3178.46,3260.94 v1(3194.21,3276.69)
XADC_AD0_P: J2.9 U1.C20 | length 22.3
  Top Layer w6: U1.C20@3178.46,3229.45 v1(3194.21,3245.2)
XADC_AD1_N: J2.2 U1.D18 | length 22.3
  Top Layer w6: U1.D18@3115.47,3197.95 v1(3131.22,3213.7)
XADC_AD1_P: J2.3 U1.E17 | length 22.3
  Top Layer w6: U1.E17@3083.98,3166.46 v1(3099.72,3182.2)
XADC_AD2_N: J2.23 U1.M20 | length 22.3
  Top Layer w6: U1.M20@3178.46,2945.98 v1(3194.21,2930.24)
XADC_AD2_P: J2.24 U1.M19 | length 22.3
  Top Layer w6: U1.M19@3146.97,2945.98 v1(3162.72,2930.24)
XADC_AD3_N: J2.17 U1.L20 | length 22.3
  Top Layer w6: U1.L20@3178.46,2977.48 v1(3194.21,2961.73)
XADC_AD3_P: J2.18 U1.L19 | length 22.3
  Top Layer w6: U1.L19@3146.97,2977.48 v1(3162.72,2961.73)
XADC_AD4_N: J2.26 U1.H18 | length 22.3
  Top Layer w6: U1.H18@3115.47,3071.97 v1(3131.22,3087.72)
XADC_AD4_P: J2.27 U1.J18 | length 22.3
  Top Layer w6: U1.J18@3115.47,3040.47 v1(3131.22,3056.22)
XADC_AD5_N: J2.33 U1.H20 | length 22.3
  Top Layer w6: U1.H20@3178.46,3071.97 v1(3194.21,3087.72)
XADC_AD5_P: J2.32 U1.J20 | length 22.3
  Top Layer w6: U1.J20@3178.46,3040.47 v1(3194.21,3056.22)
XADC_AD6_N: J2.39 U1.J14 | length 22.3
  Top Layer w6: U1.J14@2989.49,3040.47 v1(3005.24,3056.22)
XADC_AD6_P: J2.38 U1.K14 | length 22.3
  Top Layer w6: U1.K14@2989.49,3008.98 v1(3005.24,3024.72)
XADC_AD7_N: J2.45 U1.L15 | length 22.3
  Top Layer w6: U1.L15@3020.98,2977.48 v1(3036.73,2961.73)
XADC_AD7_P: J2.44 U1.L14 | length 22.3
  Top Layer w6: U1.L14@2989.49,2977.48 v1(3005.24,2961.73)
XADC_AD8_N: J2.5 U1.A20 | length 22.3
  Top Layer w6: U1.A20@3178.46,3292.44 v1(3194.21,3308.19)
XADC_AD8_P: J2.6 U1.B19 | length 22.3
  Top Layer w6: U1.B19@3146.97,3260.94 v1(3162.72,3276.69)
XADC_AD9_N: J2.11 U1.E19 | length 22.3
  Top Layer w6: U1.E19@3146.97,3166.46 v1(3162.72,3182.2)
XADC_AD9_P: J2.12 U1.E18 | length 22.3
  Top Layer w6: U1.E18@3115.47,3166.46 v1(3131.22,3182.2)
XADC_AD10_N: J2.20 U1.M18 | length 22.3
  Top Layer w6: U1.M18@3115.47,2945.98 v1(3131.22,2930.24)
XADC_AD10_P: J2.21 U1.M17 | length 22.3
  Top Layer w6: U1.M17@3083.98,2945.98 v1(3099.72,2930.24)
XADC_AD11_N: J2.14 U1.J19 | length 22.3
  Top Layer w6: U1.J19@3146.97,3040.47 v1(3162.72,3056.22)
XADC_AD11_P: J2.15 U1.K19 | length 22.3
  Top Layer w6: U1.K19@3146.97,3008.98 v1(3162.72,3024.72)
XADC_AD12_N: J2.29 U1.F20 | length 22.3
  Top Layer w6: U1.F20@3178.46,3134.96 v1(3194.21,3150.71)
XADC_AD12_P: J2.30 U1.F19 | length 22.3
  Top Layer w6: U1.F19@3146.97,3134.96 v1(3162.72,3150.71)
XADC_AD13_N: J2.36 U1.G20 | length 22.3
  Top Layer w6: U1.G20@3178.46,3103.46 v1(3194.21,3119.21)
XADC_AD13_P: J2.35 U1.G19 | length 22.3
  Top Layer w6: U1.G19@3146.97,3103.46 v1(3162.72,3119.21)
XADC_AD14_N: J2.42 U1.N16 | length 22.3
  Top Layer w6: U1.N16@3052.48,2914.49 v1(3068.23,2898.74)
XADC_AD14_P: J2.41 U1.N15 | length 22.3
  Top Layer w6: U1.N15@3020.98,2914.49 v1(3036.73,2898.74)
XADC_AD15_N: J2.48 U1.J16 | length 22.3
  Top Layer w6: U1.J16@3052.48,3040.47 v1(3068.23,3056.22)
XADC_AD15_P: J2.47 U1.K16 | length 22.3
  Top Layer w6: U1.K16@3052.48,3008.98 v1(3068.23,3024.72)
XADC_V_N: J2.51 U1.L10 | length 22.3
  Top Layer w6: v1(2847.76,2961.73) U1.L10@2863.5,2977.48
XADC_V_P: J2.50 U1.K9 | length 22.3
  Top Layer w6: v1(2816.26,3024.72) U1.K9@2832.01,3008.98
XADCGND: C111.1 C112.1 C113.1 C114.1 FB4.2 U1.J10 U1.K10 U10.3 | length 44.5
  Top Layer w6: v1(2847.76,3024.72) U1.K10@2863.5,3008.98 ; v1(2847.76,3056.22) U1.J10@2863.5,3040.47
XADCVREF: C113.2 C114.2 U1.L9 U10.2 | length 22.3
  Top Layer w6: v1(2816.26,2961.73) U1.L9@2832.01,2977.48
pads on no net: C9.1 C9.2 IC1.A1 IC1.A2 IC1.A7 IC1.A8 IC1.A9 IC1.A10 IC1.A11 IC1.A12 IC1.A13 IC1.A14 IC1.B1 IC1.B3 IC1.B4 IC1.B5 IC1.B6 IC1.B7 IC1.B8 IC1.B9 IC1.B10 IC1.B11 IC1.B12 IC1.B13 IC1.B14 IC1.C1 IC1.C3 IC1.C5 IC1.C7 IC1.C8 IC1.C9 IC1.C10 IC1.C11 IC1.C12 IC1.C13 IC1.C14 IC1.D1 IC1.D2 IC1.D3 IC1.D4 IC1.D12 IC1.D13 IC1.D14 IC1.E1 IC1.E2 IC1.E3 IC1.E5 IC1.E8 IC1.E9 IC1.E10 IC1.E12 IC1.E13 IC1.E14 IC1.F1 IC1.F2 IC1.F3 IC1.F10 IC1.F12 IC1.F13 IC1.F14 IC1.G1 IC1.G2 IC1.G3 IC1.G10 IC1.G12 IC1.G13 IC1.G14 IC1.H1 IC1.H2 IC1.H3 IC1.H5 IC1.H12 IC1.H13 IC1.H14 IC1.J1 IC1.J2 IC1.J3 IC1.J12 IC1.J13 IC1.J14 IC1.K1 IC1.K2 IC1.K3 IC1.K6 IC1.K7 IC1.K10 IC1.K12 IC1.K13 IC1.K14 IC1.L1 IC1.L2 IC1.L3 IC1.L12 IC1.L13 IC1.L14 IC1.M1 IC1.M2 IC1.M3 IC1.M7 IC1.M8 IC1.M9 IC1.M10 IC1.M11 IC1.M12 IC1.M13 IC1.M14 IC1.N1 IC1.N3 IC1.N6 IC1.N7 IC1.N8 IC1.N9 IC1.N10 IC1.N11 IC1.N12 IC1.N13 IC1.N14 IC1.P1 IC1.P2 IC1.P7 IC1.P8 IC1.P9 IC1.P10 IC1.P11 IC1.P12 IC1.P13 IC1.P14 J1.61 J1.62 J2.61 J2.62 J3.61 J3.62 J4.61 J4.62 U1.B12 U1.B14 U1.C12 U1.D4 U1.E8 U1.F4 U1.F10 U1.K18 U1.P1 U1.P3 U1.R1 U1.R2 U1.R3 U1.T1 U1.T2 U1.T4 U1.U2 U1.U3 U1.U4 U1.V1 U1.V2 U1.V3 U1.W1 U1.W3 U1.W4 U1.W5 U1.Y1 U1.Y2 U1.Y3 U1.Y4 U2.J1 U2.J9 U2.L1 U2.L9 U2.M7 U2.T3 U2.T7 U3.21 U3.22 U3.23 U3.24 U3.26 U3.27 U3.28 U3.29 U3.30 U3.32 U3.33 U3.34 U3.36 U3.40 U3.41 U3.43 U3.44 U3.45 U3.46 U3.48 U3.52 U3.53 U3.57 U3.58 U3.60 U5.1 USB1.3 USB1.9 X1.1 X2.1
copper on no net: | length 8
  Top Layer w6: 2310.88,2939.76 2318.91,2939.76

## Text inside footprints (layer, text, board x,y; h text height)
FB1: Mechanical 6 "Land Pattern Adapted for Reflow Soldering and 70um Land Pad Thickness" at 19316.38,5553.07 h1.97 r90
FB2: Mechanical 6 "Land Pattern Adapted for Reflow Soldering and 70um Land Pad Thickness" at 3196.41,8678.3 h1.97
FB3: Mechanical 6 "Land Pattern Adapted for Reflow Soldering and 70um Land Pad Thickness" at 4116,5703.66 h1.97
FB4: Mechanical 6 "Land Pattern Adapted for Reflow Soldering and 70um Land Pad Thickness" at 4116,5745.25 h1.97
FB5: Mechanical 6 "Land Pattern Adapted for Reflow Soldering and 70um Land Pad Thickness" at 3104.33,8202.31 h1.97 r180
SW2: Top Overlay "ON" at 11275,6311.77 h39.37
U7: Mechanical 13 "*" at 2752,1925.8 h50